# Altium PCB TIMESTICK_2.1.PcbDoc (part 2 of 2)
Units mm, origin at the board's own origin, x right, y up, seen from the top; angles counter-clockwise.
Board outline 82 x 42 mm, 4 copper layers (Top Layer, Int1, Int2, Bottom Layer), stack 1.524 mm thick; 120 components, 80 nets, 432 pads, 467 vias.
Unrouted connection lines stored in the file: 51.
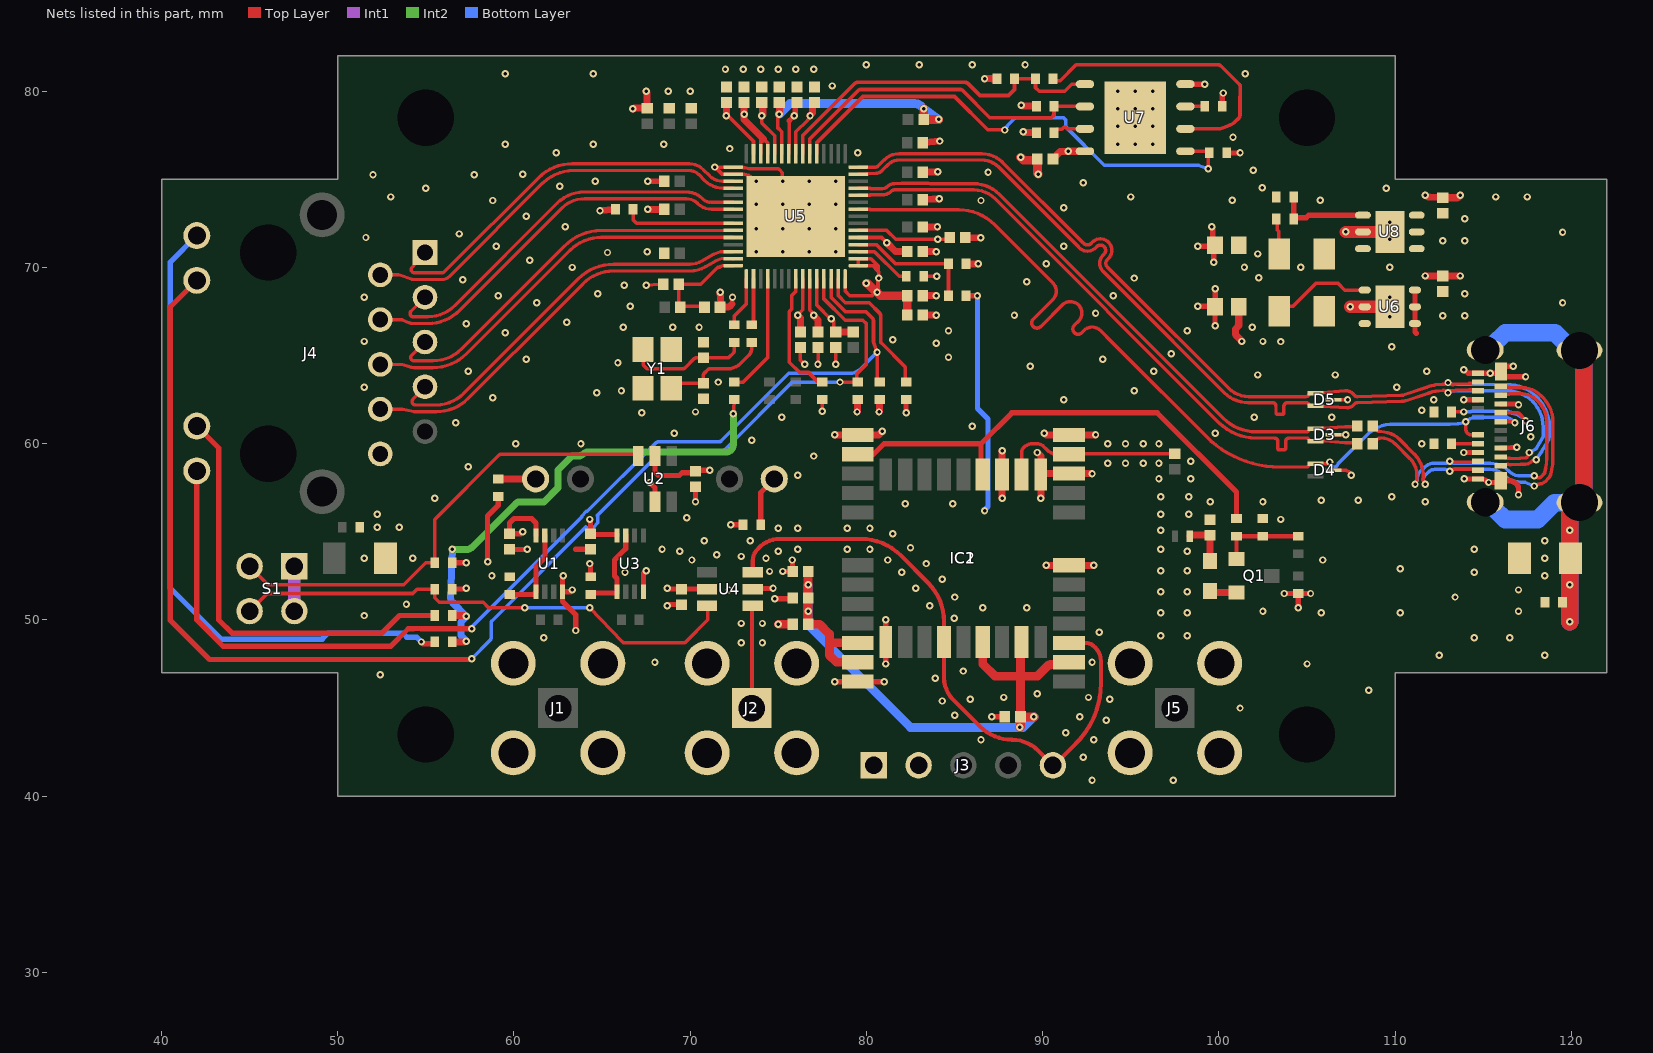
[diagram p4: the nets of this part, all layers, seen from the top]

## Via types
v1: diameter 0.42, hole 0.2, Top Layer to Bottom Layer, tented both sides, 467 vias

## Nets (pads, with @x,y where several pads share a name; then routed paths per layer and width w, separated by ;. In a path a pad name is that pad's centre, name@x,y a point inside that pad or via, vN(x,y) a via of type N, cw(c..) or ccw(c..) an arc to the next point about the centre after c; other vN are vias at no path point) (continued)
D_P: D4.1 J6.A6 J6.B6 U5.39 | length 52.5
  Top Layer w0.195: U5.39@79.541,73.3 79.544,73.297 80.191,73.297 cw(c80.191,73.261) 80.217,73.287 ccw(c80.243,73.312) 80.243,73.276 85.228,73.276 cw(c85.228,70.388) 87.27,72.43 89.724,69.976 89.866,69.834 90.588,69.112 cw(c90.128,68.651) 90.588,68.191 89.464,67.067 ; 89.464,67.067 ccw(c89.674,66.856) 89.464,66.646 ccw(c89.674,66.856) 89.884,66.646 91.164,67.926 91.17,67.926 cw(c91.572,67.414) 92.032,67.874 cw(c91.572,67.414) 92.032,66.954 91.798,66.72 ccw(c92.009,66.51) 91.798,66.299 ccw(c92.009,66.51) 92.219,66.299 92.35,66.43 cw(c92.81,65.97) 93.27,66.43 93.93,65.77 94.072,65.628 99.53,60.17 ccw(c103.452,64.57) 99.542,60.159 ccw(c103.452,64.57) 103.45,58.676 104.943,58.676 ccw(c104.943,58.87) D4.1@105.132,58.825 ; D4.1@105.132,58.826 D4.1@105.492,58.856 106.193,58.856 ccw(c106.193,59.007) 106.3,58.9 v1(106.3,58.962) ; v1(114.008,61.236) 114.008,60.821 ccw(c114.321,60.821) 114.1,60.6 ccw(c114.341,60.841) 114.341,60.5 J6.A6@114.7,60.5 ; J6.B6@116,61.25 116.679,61.25 cw(c116.679,61.079) v1(116.8,61.2)
  Bottom Layer w0.195: v1(106.3,58.962) 106.366,58.798 ccw(c106.546,58.87) 106.546,58.676 ccw(c106.546,58.87) 106.718,58.779 106.721,58.784 cw(c107.203,58.528) 106.816,58.913 108.417,60.514 ; 108.417,60.514 cw(c109.841,59.086) 109.712,61.099 ; 109.713,61.099 cw(c109.748,60.554) 109.746,61.1 113.073,61.1 ; 113.074,61.1 113.081,61.1 ccw(c113.08,61.295) 113.089,61.1 113.563,61.12 ; 113.565,61.121 ccw(c113.556,61.315) 113.591,61.124 113.904,61.181 ccw(c113.87,61.373) v1(114.008,61.236) cw(c114.784,60.46) 114.4,61.488 cw(c114.467,61.305) 114.466,61.5 116.307,61.5 cw(c116.306,61.305) 116.382,61.484 cw(c115.844,60.244) v1(116.8,61.2)
DVDD_1.85: C22.2 C23.2 C24.2 C25.2 FB2.1 U5.26 U5.35 U5.53 U5.56 | length 14.2
  Top Layer w0.2: v1(74.056,78.6) 74.056,78.2 74.791,77.465 U5.56@74.791,76.45 ; U5.53@75.991,76.45 75.991,77.302 75.996,77.307 75.996,77.696 76.661,78.361 76.661,78.38 76.8,78.519 v1(76.8,78.6) ; U5.26@77.191,69.35 77.191,67.865 77.956,67.1 v1(78,67.1) 78,67.093 78.156,66.937 78.156,66.44 C24.2@78.256,66.34 ; U5.35@79.541,71.7 80.856,71.7 v1(81.156,71.4)
  Top Layer w0.4: v1(74.056,78.6) 74.056,78.605 74.117,78.667 74.117,79.299 C22.2@74.056,79.36 ; v1(76.8,78.6) 76.8,78.627 76.938,78.765 76.938,79.26 77.038,79.36 C25.2@77.056,79.36 ; C24.2@78.256,66.34 FB2.1@79.256,66.34 ; v1(81.156,71.4) 81.656,70.9 C23.2@82.316,70.9
DVDD_33: C18.2 C20.2 C31.2 C32.2 C33.2 C34.2 FB4.1 FB5.1 L2.2 R8.2 R10.2 R19.2 R22.2 R24.2 R25.2 R31.1 R32.1 R34.1 R35.1 R36.1 R37.1 R38.1 U5.25 U5.36 U5.54 U5.59 U6.1 U7.8 | length 65.4
  Top Layer w0.2: v1@71.956,78.7 71.956,79.26 C33.2@72.056,79.36 ; v1(72.056,78.6) 72.156,78.6 72.156,78.56 72.157,78.558 72.198,78.558 73.591,77.165 U5.59@73.591,76.45 ; v1(72.444,61.7) 72.49,62.35 R24.2@72.5,62.5 ; U5.54@75.591,76.45 75.616,77.41 75.621,77.477 75.621,78.324 ; U5.25@76.791,69.35 76.791,67.59 77,67.381 v1(77,67.3) ; v1(77.494,61.85) 77.499,62.35 R19.2@77.5,62.5 ; U5.36@79.541,72.1 81.156,72.1 81.656,71.6 v1(84.056,71.6) 84.616,71.6 C32.2@84.716,71.7 ; R25.2@83.256,69.5 v1(84,69.5) ; L2.2@103.425,67.517 103.716,67.808 104.208,67.808 105.517,69.117 106.75,69.117 107.15,68.717 U6.1@108.275,68.717
  Top Layer w0.3: v1(75.25,52.75) FB5.1@75.81,52.75 75.81,53.39 v1(75.8,53.4) ; 75.621,78.324 75.897,78.6 v1(75.9,78.6) 75.9,78.654 75.959,78.713 75.959,79.263 C34.2@76.056,79.36 ; v1(82.25,61.75) R22.2@82.25,62.5 ; R38.1@100.194,79.15 100.194,79.812 100.25,79.868 v1(100.25,79.9) ; R36.1@100.45,76.5 v1(101.2,76.5)
  Top Layer w0.4: R8.2@56.5,48.75 57.108,48.75 ccw(c57.106,49.15) v1(57.3,48.8) ; R10.2@56.5,50.25 57.108,50.25 cw(c57.106,49.85) v1(57.3,50.2) ; v1(66.75,79) 66.777,79 66.817,79.04 FB4.1@67.556,79.04 67.556,79.917 67.5,79.973 v1(67.5,80) ; v1(72.056,78.6) C33.2@72.056,79.36 ; v1(77,67.3) 77,67.273 77.244,67.028 77.244,66.44 77.256,66.429 C31.2@77.256,66.34 ; v1(79.465,61.8) 79.465,61.805 79.5,61.841 R31.1@79.5,62.5 ; v1(80.715,61.8) 80.715,61.805 80.75,61.841 R32.1@80.75,62.5 ; v1(86.7,80.7) 86.714,80.7 86.736,80.722 87.111,80.722 87.133,80.7 R34.1@87.4,80.7 ; v1(88.794,79.2) 88.8,79.2 88.85,79.15 R35.1@89.644,79.15 ; v1(88.894,77.7) 88.9,77.7 88.95,77.65 R37.1@89.644,77.65 ; C20.2@90.584,76.15 90.584,76.17 90.995,76.581 91.404,76.581 91.418,76.595 U7.8@92.4,76.595 ; C18.2@101.125,67.767 101.125,66.706 100.935,66.516 100.935,66.184 101.3,65.819 v1(101.3,65.8)
  Int2 w0.4: v1(56.5,54) 57.334,54 ccw(c57.334,54.4) 57.617,54.117 60.083,56.583 cw(c60.366,56.3) 60.366,56.7 61.7,56.7 62.5,57.5 62.5,58.5 63.3,59.3 63.634,59.3 ccw(c63.634,59.7) 63.854,59.366 64.007,59.466 ; 64.008,59.467 cw(c64.227,59.132) 64.227,59.532 72.044,59.532 ccw(c72.044,59.932) 72.444,59.932 v1(72.444,61.7)
  Bottom Layer w0.4: v1(56.5,54) 56.406,51.272 ccw(c56.806,51.26) 56.522,50.978 56.523,50.977 v1(57.3,50.2) 57.3,50.195 57,49.895 57,49.105 57.3,48.805 v1(57.3,48.8)
  other v1: 103.509,65.798 102.5,65.8 101.9,66.6 91.45,76.6
GND: C1.1 C2.1 C3.1 C4.1 C5.1 C6.2 C10.1 C11.1 C12.1 C13.1 C14.1 C15.1 C16.1 C17.1 C18.1 C19.1 C20.1 C21.1 C22.1 C23.1 C24.1 C25.1 C26.1 C27.1 C28.1 C29.1 C30.1 C31.1 C32.1 C33.1 C34.1 C35.1 C36.1 C37.1 C38.1 C39.1 C40.1 C41.1 C42.1 C43.1 C44.1 D3.3 D4.3 D5.3 IC1.7 IC1.10 IC1.12 IC1.13 IC1.24 IC2.1 IC2.10 IC2.12 J1.2 J1.3 J1.4 J1.5 J2.2 J2.3 J2.4 J2.5 J3.1 J4.10 J5.2 J5.3 J5.4 J5.5 J6.A1 J6.A12 J6.B1 J6.B12 R1.2 R4.1 R15.2 R16.2 R18.1 R21.1 R29.2 R30.2 R33.1 R41.2 S1.1 S1.2 U1.4 U2.2 U3.4 U4.2 U5.1 U5.2 U5.61 U6.2 U6.7 U7.4 U7.9 U8.2 U8.7 Y1.2 Y1.4 | length 94
  Top Layer w0.2: v1(67.5,69) C28.1@68.266,69.037 ; C28.1@68.266,69.037 C28.1@68.466,69.05 ; v1(73.756,74.9) 73.678,74.961 73.5,75.1 73.438,75.148 ccw(c73.316,74.99) 73.423,75.159 ccw(c72.926,74.355) 72.926,75.3 71.8,75.3 v1(71.4,75.7) 72.937,75.7 cw(c72.937,75.4) 72.941,75.7 ccw(c73.091,75.9) 73.091,75.65 73.104,75.65 73.358,75.603 ccw(c73.393,75.8) 73.392,75.6 ccw(c73.4,76.5) 73.396,75.6 74.931,75.6 cw(c74.931,75.4) 75.072,75.541 75.231,75.383 75.231,74.9 75.256,74.875 v1(75.256,73.6) 75.291,73.6 U5.61@75.991,72.9 ; C41.1@76.256,65.46 76.256,64.744 v1(76.5,64.5) ; v1(77.25,64.5) 77.256,64.506 C31.1@77.256,65.46 ; v1@78.256,64.506 C24.1@78.256,65.46 ; D4.3@106.508,58.5 106.865,58.498 107.159,58.497 cw(c107.158,58.297) 107.248,58.475 107.368,58.415 cw(c107.278,58.236) 107.468,58.298 v1(107.5,58.2) ; D3.3@106.508,60.5 v1(107.2,60.5) ; D5.3@106.508,62.5 v1(107.3,62.5) ; v1@72.376,68.259 ccw(c72.561,68.181) 72.361,68.169 72.376,67.924 v1@72.376,68.259 ; v1@72.376,68.259 cw(c72.561,68.181) v1(72.4,68.3) 72.376,68.276 v1@72.376,68.259
  Top Layer w0.3: C1.1@59.75,54.01 59.92,54 v1(60.75,54) ; v1(62.8,52.5) 62.75,52.45 U1.4@62.75,51.6 ; v1(63.3,51.7) 63.2,51.6 U1.4@62.75,51.6 ; v1(63.5,49.4) 63.5,50.3 62.75,51.05 U1.4@62.75,51.6 ; 63.504,54.008 C4.1@64.344,54.008 ; v1(64.3,53.2) 64.344,53.156 R4.1@64.344,52.448 ; U3.4@67.344,51.598 67.344,52.644 v1(67.5,52.8) ; v1(67.6,74.9) C37.1@68.516,74.9 ; v1(67.7,57.8) 68,57.5 U2.2@68,56.7 ; v1(68.7,50.8) 68.77,50.87 C3.1@69.5,50.87 ; v1(70.3,56.7) 70.3,57.54 70.28,57.56 C2.1@70.3,57.56 ; U4.2@73.55,51.75 73.657,51.857 73.765,51.75 73.975,51.763 v1(74.7,51.8) ; v1(74.8,51.2) 75.66,51.2 C10.1@75.81,51.25 ; v1(78.2,46.5) IC1.24@79.5,46.5 v1(81,46.5) ; v1(81.1,47.5) IC2.1@81.1,48.75 v1(81.1,50) ; v1(87.1,44.5) C12.1@87.86,44.5 ; U7.4@98.1,80.405 98.105,80.4 v1(99.194,80.4) ; v1(98.8,67.8) 99.742,67.8 C18.1@99.775,67.767 ; v1(98.8,71.2) 99.708,71.2 C30.1@99.775,71.267 ; v1(99.6,72.3) 99.647,72.253 99.647,71.396 C30.1@99.775,71.267 ; v1(99.7,70.3) 99.7,71.192 C30.1@99.775,71.267 ; v1(99.8,66.7) 99.775,66.725 C18.1@99.775,67.767 ; v1(99.8,68.8) 99.8,68.117 C18.1@99.775,67.767 ; v1(113.9,64.2) 113.932,64.2 114.132,64 J6.A12@114.7,64 v1(115.4,64) 115.769,64 ccw(c115.769,64.341) J6.B1@116.01,64.1 ; v1(113.925,58) J6.A1@114.7,58 114.817,58 cw(c114.817,57.317) v1(115.3,57.8) 115.759,57.8 ccw(c115.759,58.141) J6.B12@116,57.9 116.417,57.9 cw(c116.417,57.217) 116.9,57.7 cw(c116.659,57.459) 117,57.459 v1(117,57.1) ; v1(116.7,64.4) 116.21,64.4 J6.B1@116.01,64.1 ; v1(117.4,63.8) 116.21,63.8 J6.B1@116.01,64.1
  Top Layer w0.4: v1(64.881,73.225) 65.706,73.29 R21.1@65.756,73.3 ; v1(67.6,73.3) C26.1@68.516,73.3 ; C29.1@71.69,67.75 72.037,67.75 ccw(c72.037,68.15) 72.32,67.867 72.376,67.924 ; v1(71.7,68.6) C29.1@71.75,67.887 ; v1(78.2,60.5) IC1.13@79.5,60.5 80.7,60.5 v1(80.9,60.7) ; C42.1@83.196,67.3 v1(83.956,67.3) ; C43.1@83.196,68.4 v1(83.956,68.4) ; C23.1@83.196,70.9 v1(83.956,70.9) ; C38.1@83.196,72.3 v1(84.031,72.3) ; C16.1@83.196,75.4 83.296,75.403 v1(84.056,75.425) ; C17.1@83.196,77.075 83.296,77.085 v1(84.156,77.175) ; C27.1@83.206,73.85 83.306,73.855 v1(84.141,73.9) ; C32.1@85.596,71.7 85.696,71.697 v1(86.481,71.675) ; R18.1@85.656,70.2 v1(86.356,70.2) ; v1(87.7,56.9) IC2.12@87.7,58.25 v1(87.7,59.6) ; v1(89.7,59.5) 89.9,59.3 IC2.10@89.9,58.25 ; v1(89.9,56.9) IC2.10@89.9,58.25 ; v1(90.1,60.6) 90.2,60.5 IC1.12@91.5,60.5 v1(93,60.5) ; v1(90.2,53.1) IC1.7@91.5,53.1 v1(92.9,53.1) ; v1(92.8,58.3) IC1.10@91.5,58.3 89.95,58.3 IC2.10@89.9,58.25 ; v1(111.7,69.517) v1(113.7,69.517) ; v1(111.7,74.1) ccw(c111.972,74.393) 111.951,73.994 112.58,73.963 C40.1@112.7,73.957 113.552,73.957 113.695,74.1 v1(113.7,74.1)
  Top Layer w0.5: v1(75,49.75) C11.1@75.81,49.75 ; v1(88.75,76.25) 88.92,76.08 89.654,76.08 89.704,76.13 C20.1@89.704,76.15 89.704,75.346 v1(89.75,75.3)
  Top Layer w0.7: v1(107.2,72.017) U8.2@108.175,72.017 U8.7@109.7,72.017 ; v1(107.45,67.767) U6.2@108.275,67.767 U6.7@109.7,67.767
  Int1 w0.7: S1.2@47.54,50.5 S1.1@47.54,53.04
  other v1: 92.8,40.9 97.4,40.9 92.3,42.2 86.5,43.2 92.9,43.2 91.3,43.6 93.6,44.3 92.1,44.5 85,44.6 101.2,45 84.3,45.4 85.9,45.5 93.8,45.5 87.8,45.6 92.6,45.6 89.7,45.8 108.5,46 83.9,46.7 52.4,46.9 85.5,47.1 105,47.5 68,47.6 92.8,47.6 112.5,48 118.5,48 72.9,48.7 74.1,48.7 61.7,49 114.5,49 116.5,49 96.7,49.1 98.2,49.1 93.2,49.3 72.9,49.8 74.1,49.8 84.991,50.086 51.5,50.25 96.7,50.4 98.2,50.4 105.8,50.4 110.3,50.4 102.5,50.5 117,50.5 86.6,50.7 89.1,50.7 83.6,50.8 53.9,50.9 85,51.3 113.4,51.3 96.7,51.6 98.2,51.6 72.2,51.7 117,51.7 82.8,51.8 84.3,52.3 58.75,52.5 118.5,52.5 66.3,52.7 82,52.7 114.5,52.7 74.5,52.75 96.7,52.8 98.2,52.8 110.3,52.9 83.4,53.2 70.1,53.4 81.2,53.4 105.9,53.4 51.5,53.5 54.25,53.5 74.3,53.5 118.5,53.5 72.9,53.6 71.5,53.7 69.4,53.9 75,53.9 98.2,53.9 68.4,54 76.1,54 78.9,54 80.2,54 96.7,54 114.5,54 82.5,54.1 70.8,54.5 73.4,54.5 118.5,54.5 81.5,54.9 96.7,55.1 75,55.2 76.1,55.2 78.9,55.2 80.2,55.2 52.25,55.25 53.5,55.25 103.5,55.7 69.8,55.8 52.25,56 96.7,56 98.3,56 82.2,56.6 84.9,56.6 99.5,56.7 102.5,56.7 111.7,56.7 105.8,56.8 107.9,56.8 55.5,56.9 96.7,57 98.3,57 109.8,57 96.6,58 98.4,58 76.1,58.2 57.4,58.7 93.7,58.9 94.7,58.9 95.7,58.9 96.6,58.9 98.4,59 77,59.3 60.1,60 63.8,60 93.7,60 94.7,60 95.7,60 96.6,60 111.5,60 73.5,60.2 117.7,60.4 69.1,60.6 99.8,60.6 86,61 56.7,61.2 75.2,61.5 102,61.5 106.4,61.5 67.25,61.75 70.3,61.8 111.5,61.9 91.2,62.5 112.2,62.5 58.8,62.6 64.7,62.9 66.1,63 95.2,63 51.5,63.2 110.1,63.2 71.6,63.5 102.2,63.9 106.6,63.9 57.4,64.1 96.3,64.1 111.8,64.1 89.3,64.4 78.25,64.5 65.9,64.6 60.7,64.8 93.4,64.8 97.3,65.1 109.8,65.5 51.5,65.8 81.5,65.9 59.5,66.3 98.2,66.4 66.2,66.6 69,66.6 70.5,66.6 57.3,66.8 63,66.9 109.7,67.217 88.4,67.3 93,67.4 66.6,67.8 61.3,68 119.5,68 51.5,68.3 109.7,68.317 59.1,68.4 94,68.4 64.75,68.5 66.25,69 89.1,69.2 57.1,69.3 95.2,69.4 63.3,70 104.65,70.017 109.7,70.017 90.2,70.2 60.9,70.4 65.306,70.85 67.556,70.9 73.756,70.9 75.256,70.9 76.756,70.9 78.256,70.9 59,71.2 91.2,71.2 109.7,71.6 51.6,71.7 56.9,71.9 119.5,72 73.756,72.2 75.256,72.2 76.756,72.2 78.256,72.2 62.9,72.3 109.7,72.567 60.7,72.9 91.2,73.4 73.756,73.6 76.756,73.6 78.256,73.6 58.8,73.8 86.5,73.8 100.75,73.817 105.75,73.817 53,74 95,74 115.7,74 117.5,74 55,74.5 109.5,74.5 102.45,74.517 62.6,74.6 92.3,74.8 64.6,74.9 75.256,74.9 76.756,74.9 78.256,74.9 52,75.25 57.75,75.25 60.5,75.3 86.9,75.4 101.95,75.517 62.4,76.5 79.5,76.5 72.25,76.75 59.5,77 64.5,77 68.5,77 94.25,77 95.25,77 96.25,77 100.8,77.4 94.25,78 95.25,78 96.25,78 94.25,79 95.25,79 96.25,79 68.75,80 70,80 94.25,80 95.25,80 96.25,80 78.056,80.3 59.5,81 64.5,81 101.5,81 72,81.25 73,81.25 74,81.25 75,81.25 76,81.25 77,81.25 80,81.5 83,81.5 86,81.5 89,81.5
GPS_PPS_OUT: IC1.3 IC2.4 J3.5 U4.3 | length 34.6
  Top Layer w0.233: U4.3@73.55,52.7 73.55,52.884 73.55,53.338 cw(c74.549,53.336) 73.84,54.04 cw(c75.108,52.885) 75.108,54.6 79.689,54.6 cw(c79.688,51.433) 81.923,53.677 83.507,52.093 cw(c81.335,49.93) 84.4,49.934 IC2.4@84.4,49.534 ; IC2.4@84.4,48.75 84.4,46.725 ccw(c86.169,46.733) 84.911,45.489 ; 84.912,45.488 86.445,43.955 ccw(c88.282,45.813) 88.264,43.2 cw(c88.262,41.104) 89.744,42.586 89.745,42.585 J3.5@90.58,41.75 ccw(c90.552,41.981) 90.716,41.816 91.908,43.008 ccw(c88.516,46.381) 93.3,46.381 93.3,47.684 ccw(c92.247,47.682) 92.867,48.533 ccw(c92.459,48.117) 92.459,48.7 92.284,48.7 IC1.3@91.5,48.7
LED0: J4.12 R31.2 U5.27 | length 74.9
  Top Layer w0.2: U5.27@77.591,69.35 77.591,68.209 78.8,67 79.796,67 80,66.796 80,65.232 80,64.5 79.456,63.956 79.456,63.544 R31.2@79.5,63.5 v1(78.5,63.5)
  Top Layer w0.3: J4.12@42,69.27 40.5,67.77 40.5,49.975 42.725,47.75 57.55,47.75 v1(57.6,47.8)
  Bottom Layer w0.2: v1(57.6,47.8) 58.641,48.841 ccw(c58.5,48.983) 58.7,48.983 58.7,49.817 cw(c58.9,49.817) 58.759,49.959 64.075,55.275 64.109,55.24 64.491,55.24 64.76,55.509 64.76,55.891 64.725,55.925 66.216,57.416 66.785,57.985 68.341,59.541 cw(c68.483,59.4) 68.483,59.6 71.817,59.6 ccw(c71.817,59.8) 71.959,59.659 75.8,63.5 v1(78.5,63.5)
LED1: J4.14 R32.2 U5.28 | length 62.3
  Top Layer w0.2: U5.28@77.991,69.35 77.991,68.309 78.8,67.5 79.956,67.5 80.341,67.114 cw(c80.2,66.973) 80.4,66.973 80.4,65.794 ccw(c80.6,65.794) 80.412,65.726 v1(80.6,65.2) 80.602,65.172 cw(c80.402,65.159) 80.602,65.159 80.602,63.65 R32.2@80.75,63.5
  Top Layer w0.3: J4.14@42,58.46 42,55.52 42.005,55.515 42.005,49.995 43.5,48.5 53,48.5 54,49.5 54.279,49.5 54.289,49.51 54.711,49.51 54.721,49.5 v1(57.6,49.5)
  Bottom Layer w0.2: v1(57.6,49.5) 57.6,49.6 63.84,55.84 63.84,55.891 64.109,56.16 64.16,56.16 68.041,60.041 cw(c68.183,59.9) 68.183,60.1 71.617,60.1 ccw(c71.617,60.3) 71.759,60.159 75.6,64 79.058,64 79.059,64 ccw(c79.059,64.875) 79.731,64.315 80.6,65.183 v1(80.6,65.2)
LNA_EN: IC1.14 IC2.13 R14.1 | length 27.6
  Top Layer w0.3: IC1.14@79.5,59.4 80.4,59.4 81,60 86.5,60 ; IC2.13@86.6,58.25 86.5,58.35 86.5,60 ; R14.1@101,55.75 101,56.5 101,57.25 96.5,61.75 88.25,61.75 86.5,60
MDI0_N: J4.2 U5.4 | length 22.8
  Top Layer w0.186: J4.2@52.41,69.58 53.453,69.58 cw(c53.453,69.394) 53.514,69.57 54.162,69.346 ccw(c54.349,69.886) 54.204,69.333 54.252,69.32 ccw(c54.299,69.5) 54.298,69.314 55.923,69.314 ccw(c55.923,69.886) 56.327,69.482 56.44,69.595 61.645,74.8 cw(c61.776,74.668) 61.663,74.815 cw(c63.4,72.954) 63.4,75.5 69.94,75.5 cw(c69.94,74.74) 70.477,75.277 70.829,74.926 ccw(c71.856,75.953) 71.856,74.5 U5.4@72.441,74.5
MDI0_P: J4.1 U5.3 | length 22.4
  Top Layer w0.186: J4.1@54.95,70.85 54.443,70.243 cw(c54.306,70.368) 54.437,70.237 54.217,70.017 ccw(c54.349,69.886) 54.349,69.7 55.923,69.7 ccw(c55.923,69.886) 56.054,69.754 56.167,69.867 61.372,75.072 61.399,75.099 cw(c63.3,73.195) 63.3,75.886 69.941,75.886 cw(c69.941,74.743) 70.749,75.551 71.1,75.2 ccw(c71.824,75.924) 71.824,74.9 U5.3@72.441,74.9
MDI1_N: J4.4 U5.7 | length 23
  Top Layer w0.186: J4.4@52.41,67.04 53.603,67.04 cw(c53.603,66.854) 53.676,67.025 54.065,66.86 ccw(c54.288,67.386) 54.286,66.814 54.288,66.814 55.125,66.814 ; 55.126,66.814 ccw(c55.115,69.336) 56.899,67.554 62.713,73.368 cw(c62.845,73.237) 62.715,73.369 cw(c64,72.078) 64,73.9 69.769,73.9 cw(c69.769,72.969) 70.427,73.627 70.429,73.626 ccw(c71.216,74.413) 71.216,73.3 U5.7@72.441,73.3
MDI1_P: J4.3 U5.6 | length 22.6
  Top Layer w0.186: J4.3@54.95,68.31 54.156,67.516 ccw(c54.288,67.386) 54.288,67.2 55.125,67.2 ccw(c55.115,69.336) 56.626,67.826 62.441,73.641 62.443,73.643 cw(c63.996,72.087) 63.996,74.286 69.772,74.286 cw(c69.772,72.976) 70.698,73.902 70.7,73.9 ccw(c71.183,74.383) 71.183,73.7 U5.6@72.441,73.7
MDI2_N: J4.6 U5.11 | length 22.9
  Top Layer w0.186: J4.6@52.41,64.5 53.603,64.5 cw(c53.602,64.314) 53.656,64.492 54.163,64.339 ccw(c54.328,64.886) 54.326,64.314 54.328,64.314 55.396,64.314 ccw(c55.394,67.019) 57.306,65.106 63.163,70.963 cw(c64.959,69.167) 64.959,71.707 72.434,71.707 U5.11@72.441,71.7
MDI2_P: J4.5 U5.10 | length 22.5
  Top Layer w0.186: J4.5@54.95,65.77 54.196,65.016 ccw(c54.328,64.886) 54.328,64.7 55.395,64.7 ; 55.396,64.7 ccw(c55.392,67.023) 57.035,65.38 62.892,71.237 cw(c64.957,69.172) 64.957,72.093 72.434,72.093 U5.10@72.441,72.1
MDI3_N: J4.8 U5.14 | length 23.3
  Top Layer w0.186: J4.8@52.41,61.96 53.603,61.96 cw(c53.602,61.774) 53.65,61.954 53.652,61.953 ccw(c53.7,62.133) 53.663,61.951 54.288,61.825 ccw(c54.4,62.386) 54.398,61.814 54.4,61.814 55.589,61.814 ccw(c55.591,62.2) 55.591,61.814 ccw(c55.588,64.383) 57.404,62.567 62.618,67.781 63.919,69.082 cw(c65.656,67.342) 65.649,69.8 69.98,69.8 ccw(c69.976,71.561) 70.854,70.034 71.485,70.397 71.8,70.507 72.434,70.507 U5.14@72.441,70.5
MDI3_P: J4.7 U5.13 | length 22.7
  Top Layer w0.186: J4.7@54.95,63.23 54.266,62.514 ccw(c54.4,62.386) 54.4,62.2 55.591,62.2 ccw(c55.586,64.387) 57.133,62.841 62.346,68.054 63.647,69.354 cw(c65.656,67.342) 65.648,70.186 ; 65.649,70.186 69.979,70.186 ; 69.979,70.186 ccw(c69.976,71.561) 70.662,70.369 71.293,70.732 cw(c71.485,70.397) 71.358,70.761 71.673,70.871 cw(c71.8,70.507) 71.8,70.893 72.434,70.893 U5.13@72.441,70.9
MUX1_CTRL: R6.1 S1.3 U2.6 | length 27
  Top Layer w0.2: S1.3@45,53.04 46.04,52 53.75,52 55,53.25 R6.1@55.5,53.25 55.5,55.617 cw(c55.7,55.617) 55.558,55.758 59.142,59.342 cw(c59.283,59.2) 59.283,59.4 66.85,59.4 U2.6@67.05,59.3
MUX2_CTRL: R7.1 S1.4 U4.6 | length 29.4
  Top Layer w0.2: S1.4@45,50.5 46,51.5 54.25,51.5 54.5,51.75 R7.1@55.5,51.75 55.5,51.25 55.75,51 58.25,51 58.55,50.7 v1(60.6,50.7) ; v1(64.3,50.7) 66.138,48.762 ccw(c66.283,48.9) 66.283,48.7 69.617,48.7 ccw(c69.617,48.9) 69.759,48.759 71,50 71,50.75 U4.6@70.95,50.8
  Bottom Layer w0.2: v1(60.6,50.7) v1(64.3,50.7)
NetC5_2: C5.2 L1.1 R12.2 | length 2.6
  Top Layer w0.4: L1.1@98.35,54.75 98.41,54.81 C5.2@99.5,54.81 R12.2@99.5,53.35
NetC13_2: C13.2 R26.1 Y1.1 | length 6.2
  Top Layer w0.2: Y1.1@68.922,63.15 69.212,63.44 C13.2@70.77,63.44 ; C13.2@70.75,63.44 70.75,63.867 cw(c70.95,63.867) 70.808,64.008 70.992,64.192 cw(c71.133,64.05) 71.133,64.25 72.135,64.25 72.136,64.25 ccw(c72.136,65.248) 72.84,64.54 73.329,65.029 ccw(c72.916,65.442) 73.5,65.442 R26.1@73.5,65.75
NetC14_2: C14.2 R27.1 Y1.3 | length 7
  Top Layer w0.2: Y1.3@67.322,65.35 67.322,64.561 ccw(c67.522,64.561) 67.38,64.42 67.492,64.308 ccw(c67.633,64.45) 67.633,64.25 69.567,64.25 ccw(c69.567,64.45) 69.709,64.309 70.212,64.812 cw(c70.353,64.67) 70.353,64.87 72.087,64.87 ccw(c72.087,65.07) 72.228,64.928 72.442,65.142 ccw(c72.3,65.283) 72.5,65.283 R27.1@72.5,65.75
NetC15_2: C15.2 J6.S R33.2 | length 45.5
  Top Layer w0.2: v1@119.9,51.8 v1(119.9,52)
  Top Layer w1: v1(119.9,49.9) v1@119.9,51.8 ; v1(119.9,52) v1(119.9,55.1) 119.9,56.614 119.946,56.66 120.654,56.66 120.7,56.706 120.7,65.254 120.654,65.3 J6.S@120.46,65.3
  Bottom Layer w1: J6.S@115.11,56.68 115.583,56.68 115.629,56.634 115.629,56.317 116.246,55.7 118.1,55.7 119.041,56.641 J6.S@119.927,56.641 ; J6.S@115.11,65.32 115.583,65.32 115.629,65.366 115.629,65.683 116.246,66.3 119.074,66.3 119.691,65.683 119.691,65.346 119.737,65.3 J6.S@120.7,65.3 ; v1(119.9,49.9) v1(119.9,52) v1(119.9,55.1) 119.9,56.614 J6.S@119.927,56.641 ; J6.S@119.927,56.641 120.441,56.641 J6.S@120.46,56.66 120.654,56.66 120.7,56.706 120.7,65.254 J6.S@120.654,65.3 ; J6.S@120.654,65.3 J6.S@120.46,65.3 J6.S@120.654,65.3
NetC28_2: C28.2 C29.2 FB3.1 U5.15 | length 6.3
  Top Layer w0.2: C29.2@70.81,67.75 70.76,67.8 69.49,67.8 FB3.1@69.44,67.75 69.346,67.844 C28.2@69.346,69.05 70.606,69.05 71.543,69.987 ccw(c71.372,70.284) 71.576,70.009 ccw(c71.486,70.732) 71.849,70.1 U5.15@72.441,70.1
NetD1_A: D1.A R2.1 | length 2.1
  Top Layer w0.4: R2.1@59.1,58 59.583,58 60.867,58 D1.A@61.23,58
NetD2_A: D2.A R5.1 | length 2.9
  Top Layer w0.3: R5.1@74,55.4 74,57.23 D2.A@74.77,58
NetJ2_1: J2.1 U4.1 | length 5.8
  Top Layer w0.233: J2.1@73.5,45 73.5,50.75 U4.1@73.55,50.8
NetJ4_11: J4.11 R8.1 | length 37.3
  Top Layer w0.3: v1(54.75,48.75) 54.85,48.65 55.4,48.65 R8.1@55.5,48.75
  Bottom Layer w0.3: J4.11@42,71.81 40.5,70.31 40.5,51.8 43.39,48.91 49.116,48.91 49.456,49.25 53.69,49.25 53.917,49.023 54.477,49.023 v1(54.75,48.75)
NetJ4_13: J4.13 R10.1 | length 24.5
  Top Layer w0.3: J4.13@42,61 43.25,59.75 43.25,51.866 43.25,50 44,49.25 52.5,49.25 53.5,50.25 R10.1@55.5,50.25
NetJ6_A5: J6.A5 R29.1 | length 1.5
  Top Layer w0.2: R29.1@113.2,60 113.35,60 J6.A5@114.7,60
NetJ6_B5: J6.B5 R30.1 | length 6
  Top Layer w0.2: R30.1@113.2,61.8 113.35,61.8 v1(113.9,61.8) ; J6.B5@116,61.75 116.605,61.75 cw(c116.7,61.3) 116.7,61.76 cw(c116.7,61.3) 116.795,61.75 116.905,61.75 ccw(c117,62.2) 116.92,61.747 ccw(c117,62.2) 117,61.74 117.4,61.34 v1(117.4,61.3)
  Bottom Layer w0.2: v1(113.9,61.8) 114.244,61.8 cw(c114.784,60.46) 114.324,61.83 cw(c114.434,61.5) 114.435,61.847 116.343,61.847 cw(c116.344,61.5) 116.472,61.823 ; 116.473,61.822 cw(c115.844,60.244) 116.659,61.735 cw(c116.193,60.093) 116.773,61.699 116.954,61.634 cw(c116.8,61.2) 117.094,61.554 v1(117.4,61.3)
NetL2_1: L2.1 U6.3
NetL3_1: L3.1 U8.3
NetQ1_1: Q1.1 R13.1 R14.2 R16.1 | length 4.8